# Altium PCB IPC_V3S_0.1.PcbDoc (part 1 of 2) (continued)
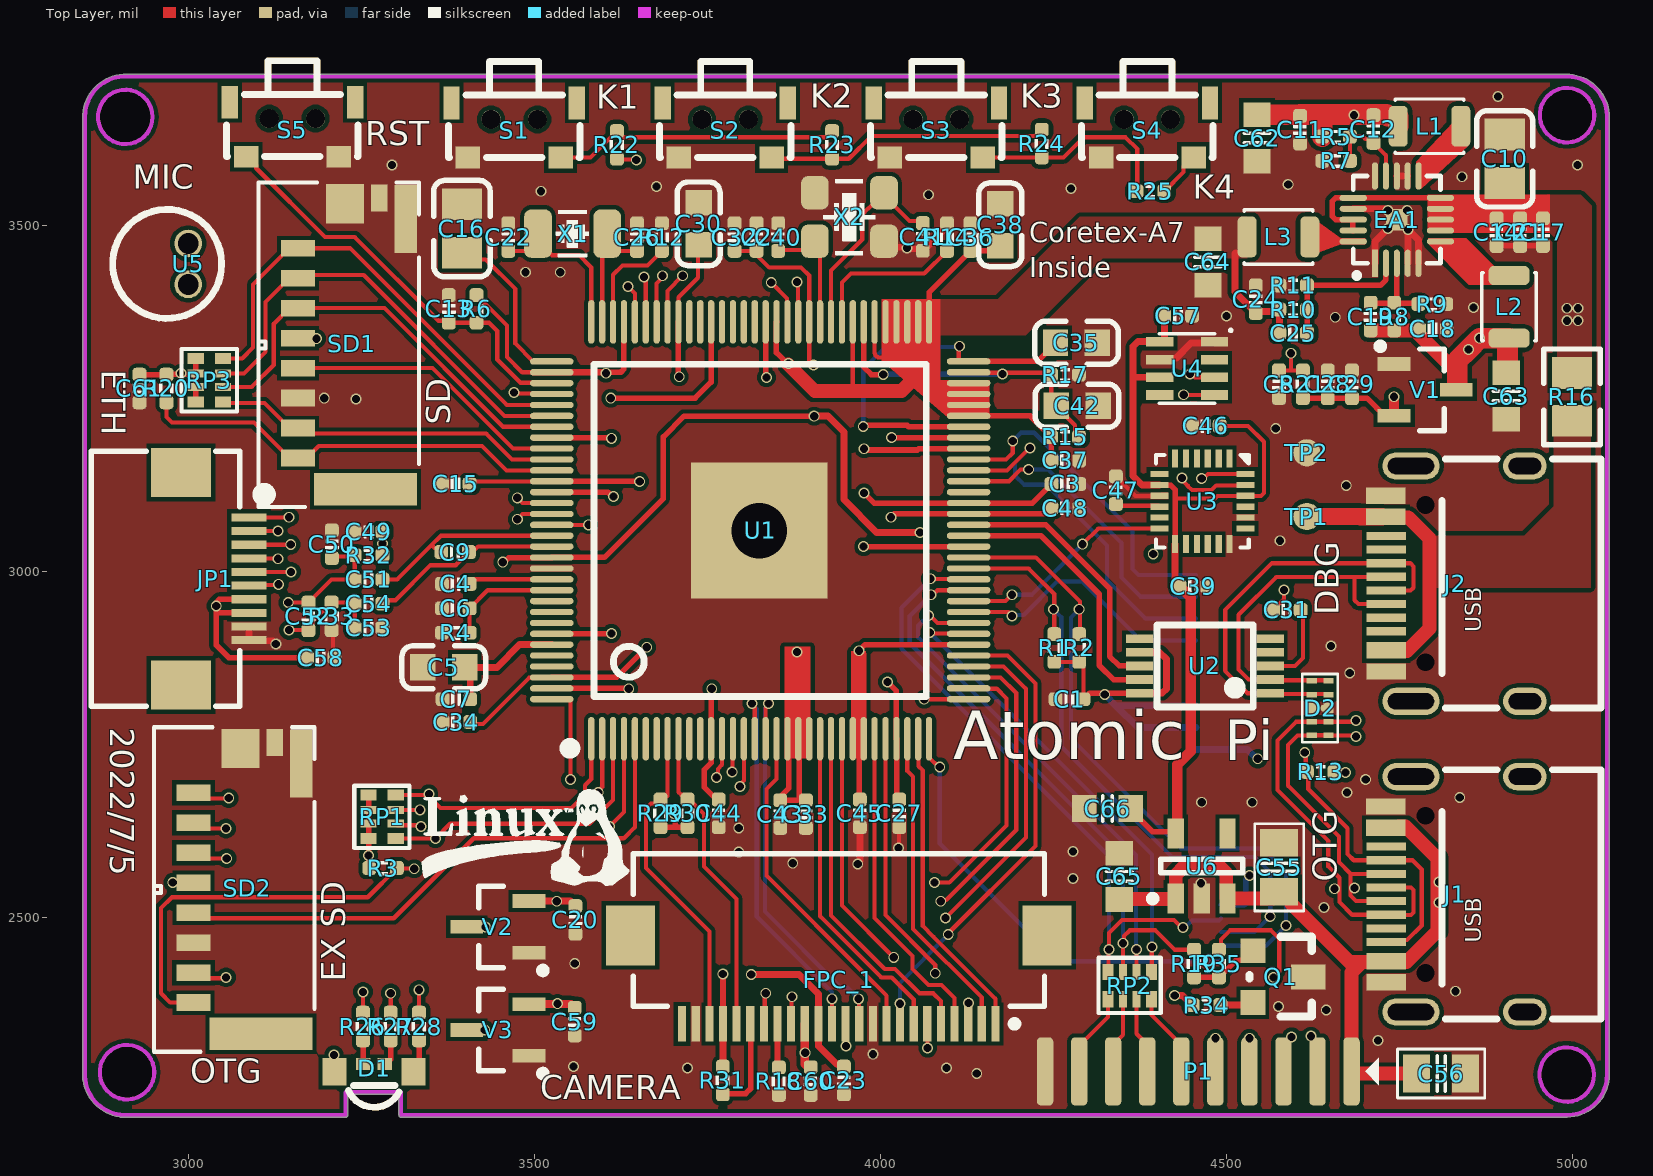
[diagram p0: Top Layer view]
## Components (designator, comment, footprint, x,y, rotation, side; value= is the part's Value field where it differs from the comment) (continued)
IMPORTED_IMAGE "IMPORTED_IMAGE" IMPORTED_IMAGE 3637,2685 r180 bottom
J1 "USB-OTG" "USB Type-C-16Pin_A" 4931,2533 r90 top
J2 "USB-DBG" "USB Type-C-16Pin_A" 4931,2982 r90 top
JP1 "FPC1.0-10P" "FPC0.5 2H-WS-10P" 2989,2989 r270 top
L1 "2.2UH" 2520-L 4793.24,3643 r180 top
L2 "2.2UH" 2520-L 4908.24,3382 r270 top
L3 "2.2UH" 2520-L 4575,3483 r180 top
P1 "SPI4" SMD-1.25*10 4680.64,2277 r180 top
Q1 "AO3400" SOT23-3 4568,2419 r270 top
R1 "4.7K" RES_0402 4251,2889 r270 top
R2 "4.7K" RES_0402 4287,2889 r270 top
R3 "10k" RES_0402 3281,2571 r0 top
R4 "200K" RES_0402 3386.06,2911 r180 top
R5 "110K" RES_0402 4658.24,3628 r180 top value=150k
R6 "10K" RES_0402 3416,3379 r90 top
R7 "110K" RES_0402 4658.24,3593 r0 top value=150k
R8 "680K" RES_0402 4742.24,3368 r270 top
R9 "150K" RES_0402 4797.24,3386 r180 top
R10 "200k" RES_0402 4596.24,3378 r180 top
R11 "100k" RES_0402 4596.24,3413 r0 top
R12 "6.2k" RES_0402 3684,3482.87 r270 top
R13 "47k" RES_0402 4636,2710 r180 top
R14 "240r" RES_0402 4096,3482.87 r270 top value=240
R15 "2k" RES_0402 4266.63,3194 r0 top value=2K
R16 "FUSE" LC-0805_R 4999,3252 r270 top value=10K
R17 "2K" RES_0402 4266.63,3284 r180 top
R18 "10k" RES_0402 3853,2263 r270 top
R19 "1K" RES_0402 4453,2433 r90 top
R20 "10k" RES_0402 2968,3264 r270 top
R21 "100K-1%" RES_0402 4610.24,3270 r90 top
R22 "6K8-1%" RES_0402 3619,3616 r270 top
R23 "8k2-1%" RES_0402 3930,3616 r90 top
R24 "10K-1%" RES_0402 4233,3618 r90 top
R25 "11K-1%" RES_0402 4390,3549 r180 top
R26 "4.7K" 0402-R 3252,2342 r270 top
R27 "4.7K" 0402-R 3292,2342 r270 top
R28 "4.7K" 0402-R 3333,2342 r90 top
R29 "10k" RES_0402 3682,2650 r270 top
R30 "10k" RES_0402 3721,2650 r270 top
R31 "10k" RES_0402 3772,2264 r270 top
R32 "2K" RES_0402 3260,3023 r0 top
R33 "2K" RES_0402 3206.6,2934.8 r270 top
R34 "0R" RES_0402 4471,2373 r0 top
R35 "10K" RES_0402 4489,2433 r90 top
RP1 "10K" RCA-8P4R-0402 3279.69,2645.16 r270 top
RP2 "100r" RCA-8P4R-0402 4360,2401 r180 top
RP3 "10K" RCA-8P4R-0402 3030,3276 r270 top
S1 "VOL+" SW-SMD_TS-1086E-AC03526 3470.53,3653 r0 top
S2 "VOL-" SW-SMD_TS-1086E-AC03526 3775.51,3653 r0 top
S3 "SELECT" SW-SMD_TS-1086E-AC03526 4080.49,3653 r0 top
S4 "START" SW-SMD_TS-1086E-AC03526 4385.46,3653 r0 top
S5 "RESET" SW-SMD_TS-1086E-AC03526 3150,3654 r0 top
SD1 "micro SD" "TF卡座 短体 molex47309-2851_MOL" 3217,3327 r90 top
SD2 "micro SD" "TF卡座 短体 molex47309-2851_MOL" 3066,2540 r90 top
ST7789 "ST7789V_1.3" ST7789V_12Pin 4952.06,3665.72 r0 bottom
TP1 "BAT+" "Test points" 4616,3079 r270 top
TP2 "BAT-" "Test points" 4616,3171 r270 top
U1 "V3S_1" "LQFP129 14x14_N" 3826,3059 r0 top
U2 "CH340E" 串口_MSOP10 4562.98,2823.63 r90 top
U3 "MPU9250" MPU9250 4465,3101 r270 top
U4 "SPL06-001" SPL06-001 4443,3293 r0 top
U5 "MIC" MIC-0416 2969,3444 r0 top
U6 "ME6219C33M5G" SOT23-5 4464,2574 r90 top
V1 "XC6206 3V0" SOT23-3N 4787,3262 r270 top
V2 "XC6206 2V8" SOT23-3N 3447,2486 r90 top
V3 "XC6206 1V5" SOT23-3N 3447,2337 r90 top
X1 "32.768K" XT_3215_2 3555,3487.87 r180 top value=32.768kHz
X2 "24Mhz" XT_3225_4 3955,3511.87 r0 top

## Footprints (in the part's own frame and the unit in brackets; to place one, negate y for a bottom-side part, rotate by r counter-clockwise, add the part's x,y. Pads: shape width x height; smd on the part's side, far side on the other; paste and mask are expansions set on the pad)
0.5mm*6p [mm]
  rect 2x0.3 smd: 1(0,0) 2(0,-0.5) 3(0,-1) 4(0,-1.5) 5(0,-2) 6(0,-2.5)
  silkscreen extent -1.01,0.47 0.98,0.47
0402-R [mil] "no top overlay"
  rrect50% 20x20 smd: 1(-20,0) 2(20,0)
  silkscreen extent -7,-10 7,10, body extent -20,-10 20,10, height 14
0603-C [mm]
  rect 0.9x1 smd: 1(-0.85,0) 2(0.85,0)
  Top Layer pour cut-out: -0.4,0.6 0.4,0.6 0.4,-0.6 -0.4,-0.6
  silkscreen extent -0.18,-0.48 0.18,0.48, body extent -0.8,-0.4 0.8,0.4, height 0.8
0603_C#1 [mm]
  rect 0.93x0.98 smd: 1(-0.778,0) 2(0.762,0)
  silkscreen extent -1.54,-0.79 1.53,0.79, body extent -0.81,-0.4 0.79,0.4, height 0.3
0603_C#2 [mm]
  rect 0.93x0.98 smd: 1(-0.77,0) 2(0.77,0)
  silkscreen extent -1.53,-0.79 1.54,0.79, body extent -0.8,-0.4 0.8,0.4, height 0.3
0805-C [mm]
  rect 1x1.4 smd: 1(-0.9,0) 2(0.9,0)
  Top Layer pour cut-out: -0.4,0.8 0.4,0.8 0.4,-0.8 -0.4,-0.8
  silkscreen extent -1.6,-0.9 1.6,0.9, body extent -1.1,-0.72 1.1,0.73, height 1.34
0805_C [mm]
  rect 1.16x1.47 smd: 1(-0.89,0) 2(0.89,0)
  silkscreen extent -1.77,-1.04 1.77,1.04, body extent -1,-0.63 1,0.63, height 0.77
2520-L [mm]
  rrect50% 0.7x1.5 smd: 1(-1.15,0) 2(1.15,0)
  silkscreen extent -1.25,-1 1.25,1, body extent -1,-0.6 1,0.6, height 0.92
CAP_0402 [mil]
  rrect50% 20x20 smd: 1(-20,0) 2(20,0)
  silkscreen extent -6,-9 6,9, body extent -20,-10 20,10, height 20
"FPC0.5 2H-WS-10P" [mm] "长：9.2mm，宽：5.2mm，高：2mm"
  rect 1.8x2.2 smd: 0(-3.9,0) 0(3.9,0)
  rect 0.3x1.3 smd: 1(-2.25,2.497) 2(-1.75,2.497) 3(-1.25,2.497) 4(-0.75,2.497) 5(-0.25,2.497) 6(0.25,2.497) 7(0.75,2.497) 8(1.25,2.497) 9(1.75,2.497) 10(2.25,2.497)
  silkscreen extent -4.67,-3.3 4.67,3.23, body extent -4.6,-3.15 4.6,2.85, height 2
FPC_24 [mm]
  rect 0.3x1.3 smd: 1(-5.739,3.359) 2(-5.239,3.359) 3(-4.739,3.359) 4(-4.239,3.359) 5(-3.739,3.359) 6(-3.239,3.359) 7(-2.739,3.359) 8(-2.239,3.359) 9(-1.739,3.359) 10(-1.239,3.359) 11(-0.739,3.359) 12(-0.239,3.359) 13(0.261,3.359) 14(0.761,3.359) 15(1.261,3.359) 16(1.761,3.359) 17(2.261,3.359) 18(2.761,3.359) 19(3.261,3.359) 20(3.761,3.359) 21(4.261,3.359) 22(4.761,3.359) 23(5.261,3.359) 24(5.761,3.359)
  rect 1.8x2.2 smd: 25(-7.639,0.109) 26(7.661,0.109)
  silkscreen extent -7.54,-2.89 7.56,3.48, body extent -8.05,-3.05 8.15,2.95, height 2
IMPORTED_IMAGE [mil]
LC-0805_R [mm]
  rect 1.16x1.47 smd: 1(-0.875,0) 2(0.875,0)
  silkscreen extent -1.76,-1.04 1.76,1.03, body extent -1,-0.62 1,0.63, height 0.49
LED-ARRAY-SMD_HS-1204-RGB [mm]
  rect 0.53x0.44 smd: 1(0.39,-0.14) 2(-0.39,-0.14)
  rect 0.88x1 smd: 3(1.45,0.14) 4(-1.45,0.14)
  silkscreen extent -0.92,0.65 0.94,1.44
"LQFP129 14x14_N" [mm] "129脚，体宽：14x14mm, 脚距：0.4mm"
  oval 0.23x1.6 smd: 1(-6.2,-7.648) 2(-5.8,-7.648) 3(-5.4,-7.648) 4(-5,-7.648) 5(-4.6,-7.648) 6(-4.2,-7.648) 7(-3.8,-7.648) 8(-3.4,-7.648) 9(-3,-7.648) 10(-2.6,-7.648) 11(-2.2,-7.648) 12(-1.8,-7.648) 13(-1.4,-7.648) 14(-1,-7.648) 15(-0.6,-7.648) 16(-0.2,-7.648) 17(0.2,-7.648) 18(0.6,-7.648) 19(1,-7.648) 20(1.4,-7.648) 21(1.8,-7.648) 22(2.2,-7.648) 23(2.6,-7.648) 24(3,-7.648) 25(3.4,-7.648) 26(3.8,-7.648) 27(4.2,-7.648) 28(4.6,-7.648) 29(5,-7.648) 30(5.4,-7.648) 31(5.8,-7.648) 32(6.2,-7.648) 65(6.2,7.653) 66(5.8,7.653) 67(5.4,7.653) 68(5,7.653) 69(4.6,7.653) 70(4.2,7.653) 71(3.8,7.653) 72(3.4,7.653) 73(3,7.653) 74(2.6,7.653) 75(2.2,7.653) 76(1.8,7.653) 77(1.4,7.653) 78(1,7.653) 79(0.6,7.653) 80(0.2,7.653) 81(-0.2,7.653) 82(-0.6,7.653) 83(-1,7.653) 84(-1.4,7.653) 85(-1.8,7.653) 86(-2.2,7.653) 87(-2.6,7.653) 88(-3,7.653) 89(-3.4,7.653) 90(-3.8,7.653) 91(-4.2,7.653) 92(-4.6,7.653) 93(-5,7.653) 94(-5.4,7.653) 95(-5.8,7.653) 96(-6.2,7.653)
  oval 1.6x0.23 smd: 33(7.651,-6.198) 34(7.651,-5.798) 35(7.651,-5.398) 36(7.651,-4.998) 37(7.651,-4.598) 38(7.651,-4.198) 39(7.651,-3.798) 40(7.651,-3.398) 41(7.651,-2.998) 42(7.651,-2.598) 43(7.651,-2.198) 44(7.651,-1.798) 45(7.651,-1.398) 46(7.651,-0.998) 47(7.651,-0.598) 48(7.651,-0.198) 49(7.651,0.202) 50(7.651,0.602) 51(7.651,1.002) 52(7.651,1.402) 53(7.651,1.802) 54(7.651,2.202) 55(7.651,2.602) 56(7.651,3.002) 57(7.651,3.402) 58(7.651,3.802) 59(7.651,4.202) 60(7.651,4.602) 61(7.651,5.002) 62(7.651,5.402) 63(7.651,5.802) 64(7.651,6.202) 97(-7.651,6.202) 98(-7.651,5.802) 99(-7.651,5.402) 100(-7.651,5.002) 101(-7.651,4.602) 102(-7.651,4.202) 103(-7.651,3.802) 104(-7.651,3.402) 105(-7.651,3.002) 106(-7.651,2.602) 107(-7.651,2.202) 108(-7.651,1.802) 109(-7.651,1.402) 110(-7.651,1.002) 111(-7.651,0.602) 112(-7.651,0.202) 113(-7.651,-0.198) 114(-7.651,-0.598) 115(-7.651,-0.998) 116(-7.651,-1.398) 117(-7.651,-1.798) 118(-7.651,-2.198) 119(-7.651,-2.598) 120(-7.651,-2.998) 121(-7.651,-3.398) 122(-7.651,-3.798) 123(-7.651,-4.198) 124(-7.651,-4.598) 125(-7.651,-4.998) 126(-7.651,-5.398) 127(-7.651,-5.798) 128(-7.651,-6.198)
  rect 5x5 smd: 129(-0.038,-0.01)
  silkscreen extent -7.11,-8.13 6.1,6.1, body extent -8,-8 8,8.01, height 1.45
MIC-0416 [mil]
  round 40 hole 30: 1(30.43,29.53) 2(30.43,-29.53)
  silkscreen extent -79,-79 79,79, body extent -99,-99 99,100, height 102
MPU9250 [mil] "QFN, 24-Leads, Body 3.00x3.00mm, Pitch 0.40mm, Thermal Pad 1.54x1.70mm, IPC Medium Density"
  rect 26x9 smd: 1(-62.01,39.37) 2(-62.01,23.62) 3(-62.01,7.87) 4(-62.01,-7.87) 5(-62.01,-23.62) 6(-62.01,-39.37) 13(62.01,-39.37) 14(62.01,-23.62) 15(62.01,-7.87) 16(62.01,7.87) 17(62.01,23.62) 18(62.01,39.37)
  rect 9x26 smd: 7(-39.37,-62.01) 8(-23.62,-62.01) 9(-7.87,-62.01) 10(7.87,-62.01) 11(23.62,-62.01) 12(39.37,-62.01) 19(39.37,62.01) 20(23.62,62.01) 21(7.87,62.01) 22(-7.87,62.01) 23(-23.62,62.01) 24(-39.37,62.01)
  silkscreen extent -67,-67 67,67, body extent -81,-81 81,81, height 31
"QFN20 3x3_M" [mm] "20脚，长x宽x高：3x3x0.8mm，脚距：0.4mm"
  rect 0.22x1 smd: 1(-0.8,-1.6)
  oval 0.22x1 smd: 2(-0.4,-1.6) 3(0,-1.6) 4(0.4,-1.6) 5(0.8,-1.6) 11(0.8,1.6) 12(0.4,1.6) 13(0,1.6) 14(-0.4,1.6) 15(-0.8,1.6)
  oval 1x0.22 smd: 6(1.6,-0.8) 7(1.6,-0.4) 8(1.6,0) 9(1.6,0.4) 10(1.6,0.8) 16(-1.6,0.8) 17(-1.6,0.4) 18(-1.6,0) 19(-1.6,-0.4) 20(-1.6,-0.8)
  rect 0.8x0.8 smd: 21(0,0)
  silkscreen extent -1.6,-2.12 1.6,1.6, body extent -1.51,-1.51 1.51,1.51, height 0.75
RCA-8P4R-0402 [mm] "2mm*1mm*0.45mm(长*宽*厚)"
  rect 0.4x0.6 smd: 1(-0.8,-0.5) 4(0.8,-0.5) 5(0.8,0.5) 8(-0.8,0.5)
  rect 0.3x0.6 smd: 2(-0.25,-0.5) 3(0.25,-0.5) 6(0.25,0.5) 7(-0.25,0.5)
  silkscreen extent -1.14,-1.02 1.15,1.01, body extent -1,-0.5 1,0.5, height 0.45
"RCLAMP0524 SEMTECH" [mm] "SEMTECH"
  rect 0.2x0.38 smd: 1(-1.005,-0.326) 1(-1.005,0.294) 2(-0.505,-0.326) 2(-0.505,0.294) 4(0.495,-0.326) 4(0.495,0.294) 5(0.995,-0.326) 5(0.995,0.294)
  rect 0.4x0.38 smd: 3(-0.005,0.294) 3(-0.005,-0.326)
  round 0.25 smd: 3(-0.005,-0.141)
  silkscreen extent -1.26,-0.67 1.25,0.63, body extent -1.21,-0.43 1.21,0.4, height 0.3
RES_0402 [mil]
  rrect50% 20x20 smd: 1(-20,0) 2(20,0)
  silkscreen extent -7,-10 7,10, body extent -20,-10 20,10, height 14
SMD-1.25*10 [mm] "触点"
  rrect50% 0.6x2.5 smd: 1(0,0) 2(1.25,0) 3(2.5,0) 4(3.75,0) 5(5,0) 6(6.25,0) 7(7.5,0) 8(8.75,0) 9(10,0) 10(11.25,0)
  silkscreen extent -1,-0.5 -0.5,0.5
SOT23-3 [mil]
  rect 36x36 smd: 1(-32.5,-30) 3(42.5,-30)
  rect 36x50 smd: 2(5.5,50)
  silkscreen extent -53,-35 62,55, body extent -52,-42 62,68, height 51
SOT23-3N [mm] "3x1.3x1mm(长宽高)"
  rect 0.5x1.2 smd: 1(-0.95,-1.143) 2(0.95,-1.143) 3(0,1.143)
  silkscreen extent -1.72,-1.78 1.5,0.7, body extent -1.5,-1.2 1.5,1.2, height 1.05
SOT23-5 [mm]
  rect 1.1x0.6 smd: 1(-1.2,0.95) 2(-1.2,0) 3(-1.2,-0.95) 4(1.2,-0.95) 5(1.2,0.95)
  silkscreen extent -1.32,-1.5 0.25,1.92, body extent -1.4,-1.45 1.4,1.45, height 1.2
SPL06-001 [mm]
  rect 1x0.35 smd: 1(1.001,0.975) 2(1.001,0.325) 3(1.001,-0.325) 4(1.001,-0.975) 5(-1.001,-0.975) 6(-1.001,-0.325) 7(-1.001,0.325) 8(-1.001,0.975)
  silkscreen extent -1.02,-1.27 1.65,1.45, body extent -1.09,-1.35 1.09,1.31, height 0.9
ST7789V_12Pin [mm]
  rect 3x0.35 smd: 1(-12.6,24.25) 2(-12.6,23.45) 3(-12.6,22.65) 4(-12.6,21.85) 5(-12.6,21.05) 6(-12.6,20.25) 7(-12.6,19.45) 8(-12.6,18.65) 9(-12.6,17.85) 10(-12.6,17.05) 11(-12.6,16.25) 12(-12.6,15.45)
  silkscreen extent -51.2,0 0,35.7
SW-SMD_TS-1086E-AC03526 [mm]
  rect 0.9x0.8 smd: 1(-1.7,-1.4) 2(1.7,-1.4)
  rect 0.6x1.2 smd: 3(-2.3,0.6) 4(2.3,0.6)
  round 0.7 hole 0.7 unplated: ""(-0.85,0) ""(0.85,0)
  silkscreen extent -2.41,-1.4 2.41,2.12, body extent -2.3,-1.4 2.3,2.15, height 1.42
"Test points" [mm]
  round 1 smd: 1(0,0)
"TF卡座 短体 molex47309-2851_MOL" [mil]
  rect 24x49 smd paste+0 mask+0: 1(139.76,58.83) 2(96.46,58.83) 3(53.15,58.83) 4(9.84,58.83) 5(-33.46,58.83) 6(-76.77,58.83) 7(-120.08,58.83) 8(-163.39,58.83)
  rect 47x149 smd paste+0 mask+0: 9(-208.66,-38.8)
  rect 98.43x33 smd: 10(182.09,-96.68)
  rect 57x55 smd paste+0 mask+0: 10(203.74,-9.08)
  rect 39x24 smd paste+0 mask+0: 10(212.6,-58.29)
  silkscreen extent -234,-116 234,116, body extent -224,-111 224,106, height 102
"USB Type-C-16Pin_A" [mm]
  round 0 hole 0.65: 0(-2.89,3.65) 0(2.89,3.65)
  oval 1x1.6 hole 0.6 slot 1.2 at 90 deg: 1(-4.32,0) 1(4.32,0)
  oval 1x2.1 hole 0.6 slot 1.7 at 90 deg: 1(-4.32,4.18) 1(4.32,4.18)
  rect 0.3x1.45 smd: A1(-3.375,5.092) A4(-2.6,5.092) A5(-1.25,5.092) A6(-0.25,5.092) A7(0.25,5.092) A8(-1.75,5.092) A9(2.6,5.1) A12(3.375,5.1) B1(3.075,5.1) B4(2.3,5.1) B5(1.75,5.092) B6(0.75,5.092) B7(-0.75,5.092) B8(1.25,5.092) B9(-2.3,5.092) B12(-3.075,5.092)
  silkscreen extent -4.57,-2.79 4.57,3.05, body extent -4.47,-2.6 4.47,5.3, height 3.25
XT_3215_2 [mil]
  rrect50% 40x70 smd: 1(-50,0) 2(50,0)
  silkscreen extent -24,-34 24,34, body extent -63,-30 63,30, height 35
XT_3225_4 [mil]
  rrect50% 40x48 smd: 1(-50,-35) 2(50,-35) 3(50,35) 4(-50,35)
  silkscreen extent -38,-54 38,54, body extent -63,-49 63,49, height 41
串口_MSOP10 [mm]
  rect 0.32x1 smd: 1(0,0) 2(0.5,0) 3(1,0) 4(1.5,0) 5(2,0) 6(2,4.8) 7(1.5,4.8) 8(1,4.8) 9(0.5,4.8) 10(0,4.8)
  silkscreen extent -0.5,0.62 2.5,4.15, body extent -0.5,0 2.5,4.9, height 0.95

## Part data
C1 C2 C3 C4 C5 C6 C7 C8 C9 C10 C11 C12 C13 C14 C15 C16 C17 C18 C19 C20 C21 C22 C23 C24 C25 C26 C27 C28 C29 C30 C31 C32 C33 C34 C35 C36 C37 C38 C39 C40 C41 C42 C43 C44 C45 C46 C47 C58 C59 C60 C61: library part CAP
C48 C49 C50 C51 C52 C53 C54 C57: library part CAP, "SMD-CAP"
C55 C56: library part Cap_1, "0805", Published=8-Jun-2000, Publisher="Altium Limited", Revision="July-2002: Re-released for DXP Platform."
C62 C63 C64 C65 C66: library part CAP, "贴片电容"
D1: library part RGB_SIDE, "卧贴RGB"
D2: BOM_Manufacturer=AnBon, BOM_Manufacturer Part=AESD0524P, BOM_Supplier=LCSC, BOM_Supplier Part=C397789, Contributor=LCSC, spicePre=D, spiceSymbolName=AESD0524P
EA1: library part EA3036
FPC1: BOM_JLCPCB Part Class="Extended Part", BOM_Manufacturer=Hirose, BOM_Manufacturer Part=FH34SRJ-6S-0.5SH(50), BOM_Supplier=LCSC, BOM_Supplier Part=C224194, Contributor=LCSC, spicePre=F, spiceSymbolName=FH34SRJ-6S-0.5SH(50)
J1 J2: library part USB_C
JP1: library part FPC_10P, "FPC连接器", BOM名称=FPC连接器, 学习资源=www.ooocke.com, 版权归属=源创客
L1 L2 L3: library part L1, "电感"
P1: library part "Header 10", "Header, 10-Pin", LatestRevisionDate=17-Jul-2002, LatestRevisionNote="Re-released for DXP Platform.", Publisher="Altium Limited"
Q1: library part AO3400MI-MS, BOM_Manufacturer=MSKSEMI(美森科), BOM_Manufacturer Part=AO3400MI-MS, BOM_Supplier=LCSC, BOM_Supplier Part=C2847030, Contributor=LCSC, spicePre=Q, spiceSymbolName=AO3400MI-MS
R1 R2 R3 R4 R5 R6 R7 R8 R9 R10 R11 R12 R13 R14 R15 R17 R18 R19 R20 R29 R30 R31 R32 R33 R34 R35: library part Res2, "Resistor", LatestRevisionDate=17-Jul-2002, LatestRevisionNote="Re-released for DXP Platform.", PackageReference=AXIAL-0.4, Published=8-Jun-2000, Publisher="Altium Limited"
R16: library part Res2, "fuse", LatestRevisionDate=17-Jul-2002, LatestRevisionNote="Re-released for DXP Platform.", PackageReference=AXIAL-0.4, Published=8-Jun-2000, Publisher="Altium Limited"
R21 R22 R23 R24 R25: library part R
R26 R27 R28: library part RES, "贴片电阻"
RP1 RP2 RP3: library part 224, BOM名称=贴片网络排阻, 学习资源=www.ooocke.com, 版权归属=源创客
S1 S2 S3 S4 S5: library part SW-PB, "Switch", LatestRevisionDate=17-Jul-2002, LatestRevisionNote="Re-released for DXP Platform.", PackageReference=SPST-2, Published=24-Mar-1999, Publisher="Altium Limited"
TP1 TP2: library part TESTPOINT
U3: "Sensor"
U6: BOM_LCSC Assembly=Yes, BOM_Manufacturer=MICRONE, BOM_Manufacturer Part=ME6219C33M5G, BOM_Supplier=LCSC, BOM_Supplier Part=C47382, image=//image.lceda.cn/szlcsc/C47382.jpg, SMT Type=Extend, spicePre=U, spiceSymbolName=ME6219C33M5G
V1 V2 V3: library part XC6206P332MR, "低压差线性稳压芯片", BOM名称=低压差线性稳压芯片, 学习资源=www.ooocke.com, 版权归属=源创客
X1: library part XTAL_32.768k, "Crystal Oscillator"
X2: library part XTAL_3225_4P, "Crystal Oscillator", Type=XTAL3225
U2: _Comma=,, _Footprint=MSOP10, _Model=CH340E, _Name=USB-UART, _Specification=USB-UART,CH340E,MSOP10

## Free pads (board coordinates)
  round 100 hole 80: 3(3824.5,3058.62)

## Via types
v1: diameter 15.75, hole 11.81, Top Layer to Bottom Layer, tented both sides, 200 vias

## Nets (pads, with @x,y where several pads share a name; then routed paths per layer and width w, separated by ;. In a path a pad name is that pad's centre, name@x,y a point inside that pad or via, vN(x,y) a via of type N, cw(c..) or ccw(c..) an arc to the next point about the centre after c; other vN are vias at no path point)
1V2: C3.1 C11.2 C12.1 C15.2 C30.1 C33.2 C34.2 C35.2 C43.2 C45.2 C62.1 L1.2 R5.2 U1.19 U1.20 U1.21 U1.25 U1.26 U1.38 U1.47 U1.51 U1.56 U1.58 U1.64 U1.80 U1.88 U1.108 U1.126 | length 5122.7
  Top Layer w6: C15.2@3406.06,3124 3411.43,3129.38 3524.2,3129.38 U1.108@3524.79,3129.96 ; C34.2@3407,2779.33 3425.33,2779.33 3491.91,2845.91 3524.2,2845.91 U1.126@3524.79,2846.5 ; U1.88@3707.89,3360.31 3707.89,3395.89 3736.02,3424.02 3736.02,3470.7 C30.1@3737,3471.68 ; v1(4114,3325) 4113,3324 4113,3304.6 4114.41,3303.19 U1.64@4127.21,3303.19
  Top Layer w8: U1.126@3524.79,2846.5 3618.5,2846.5 v1(3662,2890) ; U1.108@3524.79,3129.96 3524.93,3129.81 v1@3651.33,3129.81 ; U1.88@3707.89,3360.31 3707.89,3282.11 v1(3709,3281) ; U1.80@3833.87,3360.31 3833.87,3281.13 v1(3835,3280) ; 3872,2747 3867.02,2742.02 3867.02,2686.02 3850,2669 3879.68,2669 3882.34,2671.66 3882.34,2756.66 U1.20@3881.12,2757.88 ; v1(3879,2883) 3895,2867 3895,2757.88 U1.21@3896.87,2757.88 ; 3966,2769 3969.13,2765.87 3969.13,2670.87 C45.2@3970,2670 ; v1(3969,2885) 3977.74,2893.74 U1.38@4127.21,2893.74 ; v1@3970.92,2884.46 3975.61,2879.78 U1.26@3975.61,2757.88 U1.26@3975.81,2757.68 ; v1(3975,3209) 3977.1,3209 3978.97,3210.87 4038.28,3210.87 4040.45,3208.7 U1.58@4127.21,3208.7 ; v1(3975.47,3035.47) U1.47@4127.21,3035.47 ; v1(3976,3113) 3990.54,3098.46 U1.51@4127.21,3098.46 4219.46,3098.46 4246.46,3125.46 4246.46,3126 C3.1@4247,3126 ; v1(3976,3177) 3978.1,3177 3979.97,3175.13 4053.14,3175.13 4055.22,3177.2 U1.56@4127.21,3177.2 ; U1.64@4127.21,3303.19 4226.86,3303.19 4252.69,3329.02 C35.2@4252.69,3330
  Top Layer w30: C62.1@4544,3659.46 C11.2@4604.77,3659.46 ; C11.2@4606.24,3660 4638.24,3660 ; R5.2@4638.24,3628 4638.24,3660 ; L1.2@4747.96,3643 4747.96,3656.31 4746.74,3657.53 4733.43,3657.53 4730.96,3660 4638.24,3660
  vcc w8: v1(3835,3280) 3835,3336 3836,3337
  vcc w30: v1(3662,2890) 3653,2899 3653,3225 v1(3709,3281) 3765,3337 3836,3337 3975,3337 ; v1(3879,2883) 3958,2883 3975.47,2900.47 v1(3975.47,3035.47) v1@3975.47,3112.47 ; v1(3976,3113) 3975,3114 v1(3975,3209) 3975,3347.08 4036.82,3408.89 4350.89,3408.89 4601,3659 v1(4684,3659)
  Bottom Layer w6: v1(3975,3209) 3975,3292 4007,3324 4113,3324 v1(4114,3325)
  other v1: 3651.85,3129.67
1V5: C59.1 C60.1 FPC_1.15 V3.2 | length 533
  Top Layer w12: V3.2@3492,2374.4 3552.6,2374.4 C59.1@3558,2369 ; FPC_1.15@3890.37,2345.75 3890.47,2345.65 3890.47,2287.53 C60.1@3894,2284
  vcc w12: v1(3533,2375) 3798,2375 3824,2349 3870,2349 3891,2328 v1(3891,2304)
1V8: C24.2 C25.1 C36.2 C37.2 C38.2 C64.1 L3.2 R10.2 R15.1 U1.59 U1.60 U1.61 U1.62 U1.65 U1.66 U1.67 U1.68 U1.69 U1.70 U1.72 U1.79 | length 1027
  Top Layer w6: 3959.86,3260 3959.86,3260.16 U1.72@3959.86,3360.31 ; U1.70@3991.35,3360.31 3991.35,3315.98 ccw(c3998.48,3315.98) 3998.48,3308.85 4016.15,3308.85 4019,3306 ; 4052,3265 4057,3270
  Top Layer w8: U1.79@3849.62,3360.31 3849.42,3360.11 3849.42,3332.39 3849.35,3332.32 3849.35,3315.82 v1@3866.58,3298.58 ; U1.65@4070.09,3360.31 4070.09,3402.97 C36.2@4130,3462.87 4165.65,3462.87 C38.2@4173.04,3470.26 C38.2@4174.02,3470.26 ; U1.59@4127.21,3224.45 4216.18,3224.45 R15.1@4246.63,3194 4246.81,3193.81 4246.81,3160.19 C37.2@4247,3160
  Top Layer w10: L3.2@4529.72,3483 4529.72,3468.27 4521.09,3459.64 4512.64,3459.64 4512,3459 4512,3403.24 C24.2@4542.24,3373 4544.74,3375.5 4573.74,3375.5 R10.2@4576.24,3378 C25.1@4576.24,3344
  Top Layer w20: v1@3866.58,3298.58 3866.58,3298.4 3904.83,3260.16 3959.86,3260.16 4030.46,3260.16 4053.3,3283 4069,3283
  other v1: 3867,3300
2V8: C20.1 C23.1 FPC_1.14 FPC_1.21 R31.1 V2.2 | length 759.4
  Top Layer w8: FPC_1.21@3772.26,2345.75 v1@3772.26,2418
  Top Layer w10: V2.2@3492,2523.4 3551.6,2523.4 C20.1@3559,2516 ; R31.1@3772.26,2285 FPC_1.21@3772.26,2345.75 ; v1(3813,2417) 3882,2417 3910.06,2388.94 FPC_1.14@3910.06,2345.75 3910.51,2345.3 3910.51,2313.49 3936,2288 3938,2288 3943,2283 C23.1@3943,2281
  vcc w10: v1(3532,2523) 3667,2523 3772.5,2417.5 3812.5,2417.5 v1(3813,2417)
  other v1: 3772,2418
3V0: C2.1 C28.1 C29.1 C32.1 C49.1 R21.1 R32.2 U1.76 U1.115 V1.2 | length 2346.5
  Top Layer w6: C49.1@3280,3057 v1(3280,3040) R32.2@3280,3023 R32.2@3280.77,3023.77 ; C32.1@3789,3462.87 3815.13,3462.87 3839,3439 3885,3439 3896.87,3427.13 U1.76@3896.87,3360.31 3896.87,3304.13 v1(3903,3298)
  Top Layer w8: v1(3454,3013) 3456.1,3013 3462.82,3019.72 U1.115@3524.79,3019.72 3524.99,3019.93 3600.93,3019.93 3686,3105 3686,3194 3716,3224 v1(3904,3224) ; R21.1@4610.24,3250 C28.1@4646.24,3250 C29.1@4681.24,3250 4702.82,3250 4728.22,3224.6 V1.2@4734.24,3224.6
  Top Layer w10: v1(3904,3224) 3924,3224 3947,3201 3947,3103.31 3994.31,3056 v1(4057,3056)
  Top Layer w15: V1.2@4742,3224.6 v1(4742,3252)
  signal w6: v1(3280,3040) 3427,3040 v1(3454,3013)
  vcc w10: v1(3903,3298) 3903.5,3297.5 3903.5,3224.5 v1(3904,3224)
  vcc w15: v1(4057,3056) 4069,3068 4558,3068 v1(4742,3252)
3V3: C1.2 C18.2 C19.1 C27.1 C31.1 C44.2 C48.2 C58.2 C61.2 C63.1 D1.3 FPC1.6 JP1.7 JP1.8 L2.2 R1.2 R2.2 R3.1 R6.2 R8.2 R13.1 R20.1 R29.2 R30.2 R35.2 RP1.1 RP1.2 RP1.3 RP1.4 RP3.1 RP3.2 RP3.3 RP3.4 SD1.4 SD2.4 ST7789.3 ST7789.4 U1.12 U1.29 U1.50 U1.57 U1.85 U1.93 U1.98 U1.104 U1.109 U1.122 U1.127 U2.7 U2.10 V1.3 V2.3 V3.3 | length 3456.9
  Top Layer w6: R6.2@3416,3399 3460.13,3354.87 3460.13,3309.39 3482.07,3287.44 U1.98@3524.79,3287.44 ; R1.2@4251,2869 R2.2@4287,2869 4293,2863 C1.2@4293,2815 ; R35.2@4489,2453 4491.9,2455.9 4491.9,2467.9 4505,2481 4564,2481 4576.02,2468.98 4576.02,2421.02 v1(4568,2413) ; C31.1@4567,2944 4583,2960 v1(4583,2973)
  Top Layer w8: C61.2@2929,3284 R20.1@2968,3284 2968.92,3284.92 3009.39,3284.92 RP3.2@3010.31,3285.84 ; RP3.4@3010.31,3244.5 RP3.3@3010.31,3266.16 RP3.2@3010.31,3285.84 ; RP3.1@3010.31,3307.5 RP3.2@3010.31,3285.84 ; JP1.8@3087.31,2939.79 3044.69,2939.79 v1@3040,2944.47 ; JP1.7@3087.31,2959.47 3044.47,2959.47 3040,2955 v1(3040,2949.74) v1@3040,2944.47 ; C58.2@3171,2875 3058,2875 3040,2893 v1@3040,2944.47 ; RP1.1@3260,2676.65 RP1.2@3260,2655 RP1.3@3260,2635.32 RP1.4@3260,2613.66 v1(3260,2589) 3260.5,2588.5 3260.5,2571.5 R3.1@3261,2571 ; U1.127@3524.79,2830.75 3635.25,2830.75 v1(3636,2830) ; U1.122@3524.79,2909.49 3610.49,2909.49 v1(3611,2910) ; U1.109@3524.79,3114.21 3605.69,3114.21 3611.9,3108 v1(3614,3108) ; U1.104@3524.79,3192.95 3610.05,3192.95 v1(3611,3192) ; U1.98@3524.79,3287.44 3624.46,3287.44 3629.15,3292.13 U1.93@3629.15,3360.31 ; v1(3610,3250) 3732,3250 3755.13,3273.13 U1.85@3755.13,3360.31 ; R29.2@3688.36,2630.23 3688.47,2630.11 3706.18,2630.11 ; v1(3702,2649) 3703.48,2647.52 3703.48,2632.81 3706.18,2630.11 ; R30.2@3724,2630 3723.89,2630.11 3706.18,2630.11 ; v1(3756,2830) 3755.13,2829.13 U1.12@3755.13,2757.88 3755.13,2723 3745,2712.87 3745,2688 C44.2@3766,2667 ; v1(4010,2840) 4022.85,2827.15 U1.29@4022.85,2757.88 4023.05,2757.68 4023.05,2673.95 C27.1@4027,2670 ; v1(4015,3078) 4019.72,3082.72 U1.50@4127.21,3082.72 4238.18,3082.72 4246.46,3091 C48.2@4247,3091 ; v1(4016,3193) v1(4016,3193) U1.57@4127.21,3192.95 ; C1.2@4293,2815 4293.54,2815 4302.17,2823.63 U2.10@4374,2823.63
  Top Layer w10: U2.10@4374,2823.63 4406.63,2823.63 4413,2830 4413,2873 4403.31,2882.68 U2.7@4374,2882.68
  Top Layer w20: C19.1@4708.24,3348 R8.2@4742.24,3348 4776.24,3348 C18.2@4778.24,3350 4778.24,3341.97 4824.6,3295.6
  Top Layer w30: V1.3@4833.24,3271 4833.24,3304.24 v1(4849.48,3320.48) v1(4865.72,3336.72) L2.2@4907.34,3336.72 ; C63.1@4904,3286.46 4906.12,3288.58 4906.12,3335.5 L2.2@4907.34,3336.72 ; L2.2@4908.24,3336.72 L2.2@4907.34,3336.72
  Bottom Layer w8: FPC1.6@4492,2517.74 4525.46,2517.74 4527.37,2519.65 4527.37,2554.37 v1(4533,2560)
  Bottom Layer w10: v1(4324,2822) 4340.51,2805.49 ; ST7789.3@4456,2773.99 4372.01,2773.99 4340.51,2805.49 ; ST7789.4@4456,2805.49 4340.51,2805.49
  other v1: 3210,2301 3428,2337 3429,2486 2977,2550 4672,2709 2989,3286 3603,3286 3185,3336
3V3_SENSOR: C39.2 C46.2 C57.1 C66.2 U3.8 U3.13 U3.22 U4.6 U4.8 U6.5 | length 1255.7
  Top Layer w6: 4425.99,3106 4426.87,3105.13 4483.1,3105.13 4486.84,3108.87 U3.22@4527.01,3108.87 4549.87,3108.87 4554,3113 4554,3187 4531,3210 C46.2@4490,3210
  Top Layer w8: C66.2@4361.46,2657 4361.46,2655.03 4393.28,2623.21 U6.5@4428.57,2623.21 ; U3.8@4402.99,3124.62 4403.49,3124.12 4419.39,3124.12 4425.99,3117.52 4425.99,3106 4425.99,3039.35 U3.13@4425.63,3038.99
  Top Layer w10: U3.8@4402.99,3124.62 4377.67,3124.62 4365,3137.29 4365,3280.2 ; U4.6@4403.58,3280.2 4365,3280.2 ; C57.1@4410,3369 4410,3333.28 4408.72,3332 4372,3332 4365,3325 4365,3280.2 ; C39.2@4425.63,2978 U3.13@4425.63,3038.99 ; C39.2@4427.63,2976.44 C39.2@4431.54,2972.54
  Top Layer w15: U6.5@4428.57,2623.21 4428.57,2720 4448,2739.43 4448,2962 C39.2@4432,2978
5V: C10.1 C14.1 C17.1 C21.1 C55.2 C56.2 C65.2 EA1.7 EA1.8 EA1.9 EA1.10 EA1.16 EA1.18 EA1.19 J1.A4 J1.A9 J1.B4 J1.B9 P1.1 R16.1 U6.1 U6.3 | length 1264.3
  Top Layer w8: EA1.18@4682.02,3503.7 4682.02,3492.56 4682.32,3492.25 EA1.19@4683.01,3492.25 ; EA1.18@4683.01,3508 4682.88,3508.13 4657.56,3508.13 4652.87,3512.81 4652.87,3534.68 4657.56,3539.37 4682.88,3539.37 EA1.16@4683.01,3539.5 EA1.10@4808.99,3539.5
  Top Layer w20: C65.2@4345,2525.54 4345.61,2526.15 4425.99,2526.15 U6.1@4426.6,2526.76 4426.6,2561.28 4438.31,2573 4489.69,2573 4499.59,2563.1 4499.59,2528.57 U6.3@4501.4,2526.76 4501.81,2527.16 4566.6,2527.16 C55.2@4576,2536.57 ; C55.2@4584.64,2527.93 4592.51,2527.93 4593.56,2526.88 4593.56,2519.01 4677.48,2435.08 4695.72,2435.08 ; J1.A9@4748.76,2631.27 4758.73,2631.27 4805,2585 4805,2480 4760.08,2435.08 4730.53,2435.08 4695.72,2435.08 ; C56.2@4774.57,2274 4682.45,2274 4680.64,2275.81 P1.1@4680.64,2277 4680.64,2420 4690.54,2429.9 4695.72,2435.08
  Top Layer w30: 4944.24,3518 4944.24,3521
  other v1: 4807,2521 4807,2551 4992,3362 5008,3362 4992,3380 5008,3380
5V_IN: J2.A4 J2.A9 J2.B4 J2.B9 R16.2 TP1.1 | length 344.8
  Top Layer w20: J2.B4@4745.19,3078 4762,3078 4793,3047 4793,2917 4760.59,2884.59
  Top Layer w25: TP1.1@4616,3079 4693.66,3079 4694.01,3078.65 J2.A9@4724.12,3078.65
CSI_D2: FPC_1.1 U1.31 | length 458.4
  Top Layer w6: U1.31@4054.35,2757.88 4054.93,2757.3 4054.93,2718.07 4061,2712 4061,2487 4076,2472 4166,2382 4166,2345.79 FPC_1.1@4165.96,2345.75
CSI_D3: FPC_1.2 U1.30 | length 456.7
  Top Layer w6: U1.30@4038.6,2757.88 4038.6,2711.4 4047,2703 4047,2483 4146.28,2383.72 FPC_1.2@4146.28,2345.75
CSI_D4: FPC_1.6 U1.28 | length 518.3
  Top Layer w6: U1.28@4007.1,2757.88 4007.1,2502.9 4079,2431 v1(4079,2419) ; FPC_1.6@4066,2347.28 FPC_1.6@4067.54,2345.75 4067.77,2345.52 4067.77,2311.23 v1(4068,2311)
  signal w6: v1(4068,2311) 4068,2406.14 4079,2417.14 v1(4079,2419)
CSI_D5: FPC_1.4 U1.27 | length 471.1
  Top Layer w6: U1.27@3991.35,2757.88 3991.35,2498.65 4046,2444 4046,2425 4069,2402 4088,2402 4106.91,2383.09 FPC_1.4@4106.91,2345.75
CSI_D6: FPC_1.3 U1.24 | length 511.5
  Top Layer w6: U1.24@3944.11,2757.88 3944.11,2516.89 v1(4019,2442)
  signal w6: v1(4019,2442) 4028,2451 4080,2451 4127,2404 v1(4127,2376) 4126,2375 v1@4126,2371
CSI_D7: FPC_1.5 U1.23 | length 498.4
  Top Layer w6: U1.23@3928.36,2757.88 3928.36,2502.64 4006,2425 4021.03,2425 4056.03,2390 4076,2390 4087.22,2378.78 FPC_1.5@4087.22,2345.75